# Altium PCB Unit-114.PcbDoc
Units mm, origin at the board's own origin, x right, y up, seen from the top; angles counter-clockwise.
Board outline 36.02 x 29.85 mm, 4 copper layers (Top1, GND2, Signal3, Bottom4), stack 0.975 mm thick; 34 components, 44 nets, 269 pads, 223 vias.
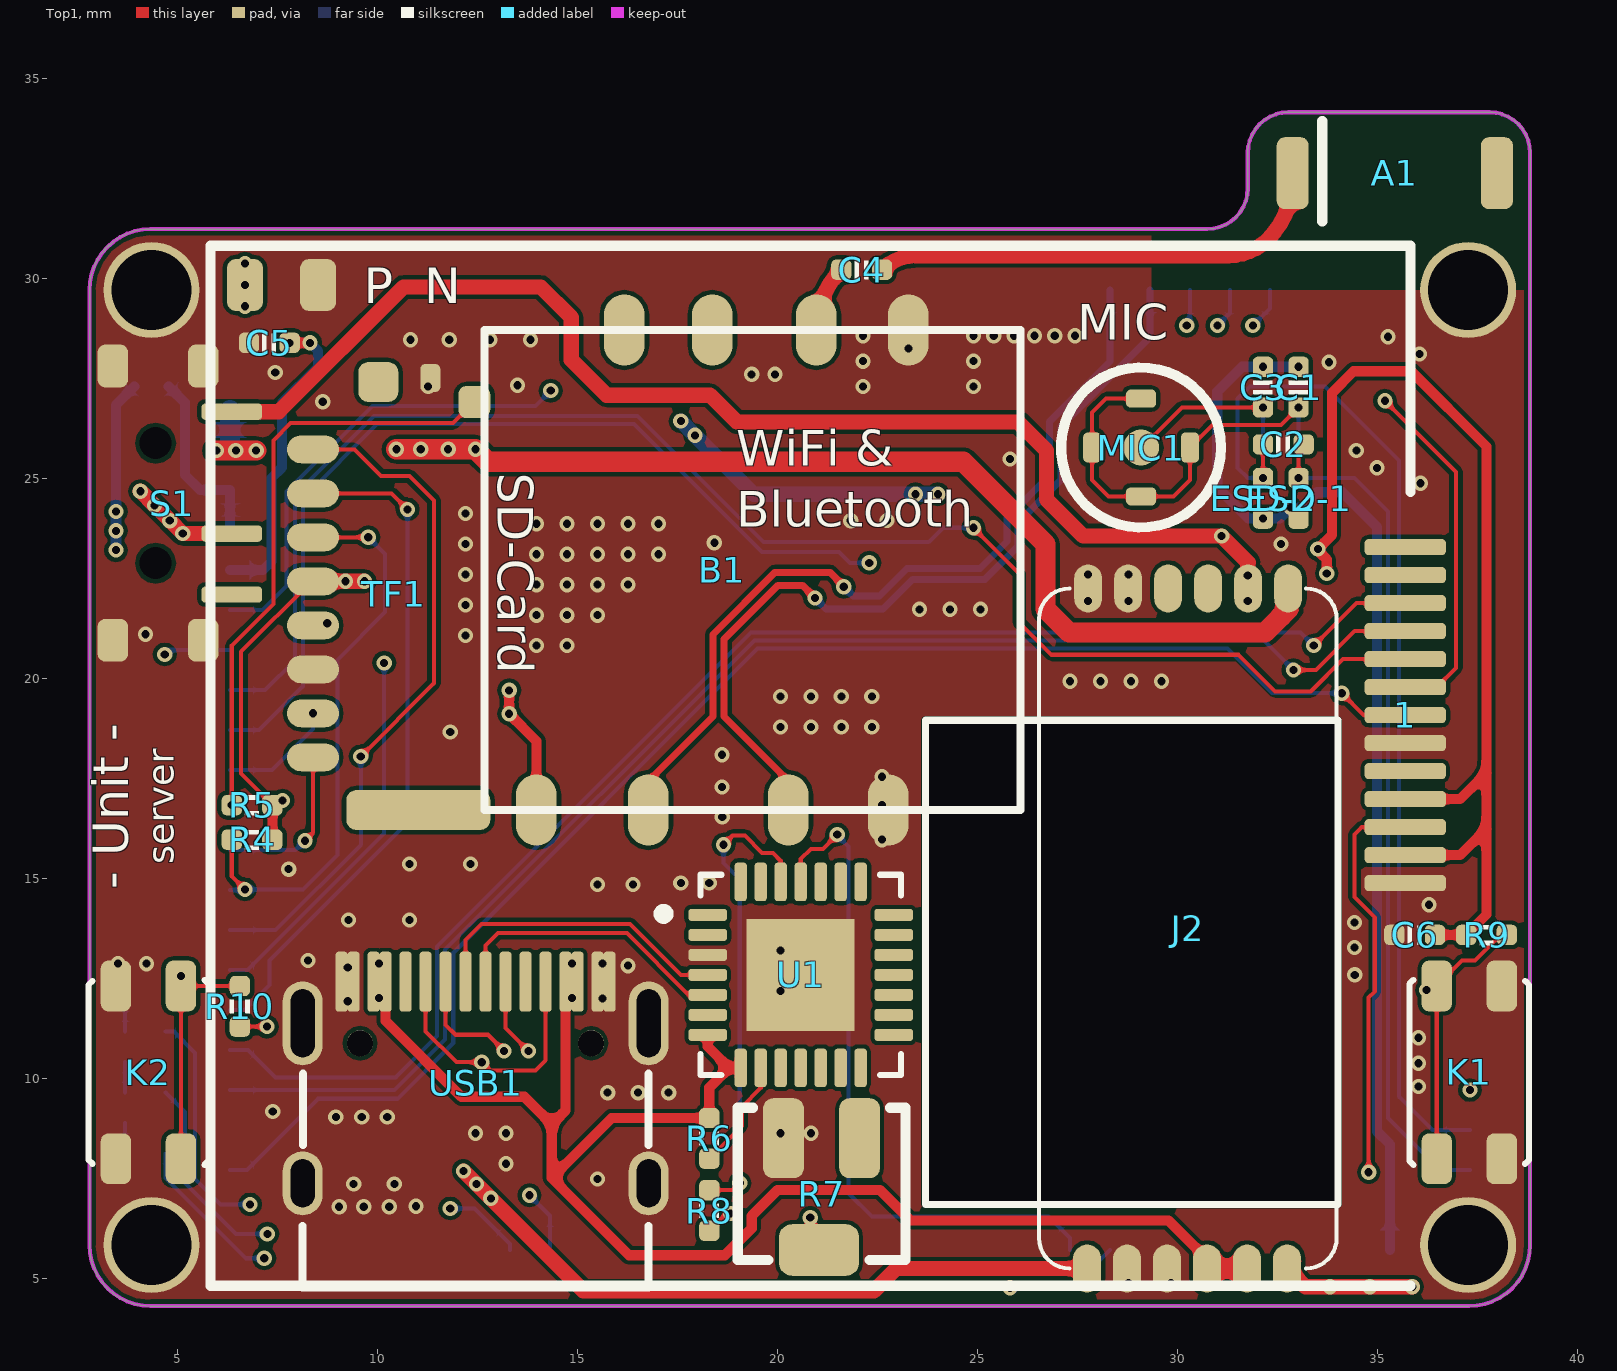
[diagram p0: Top1 view]
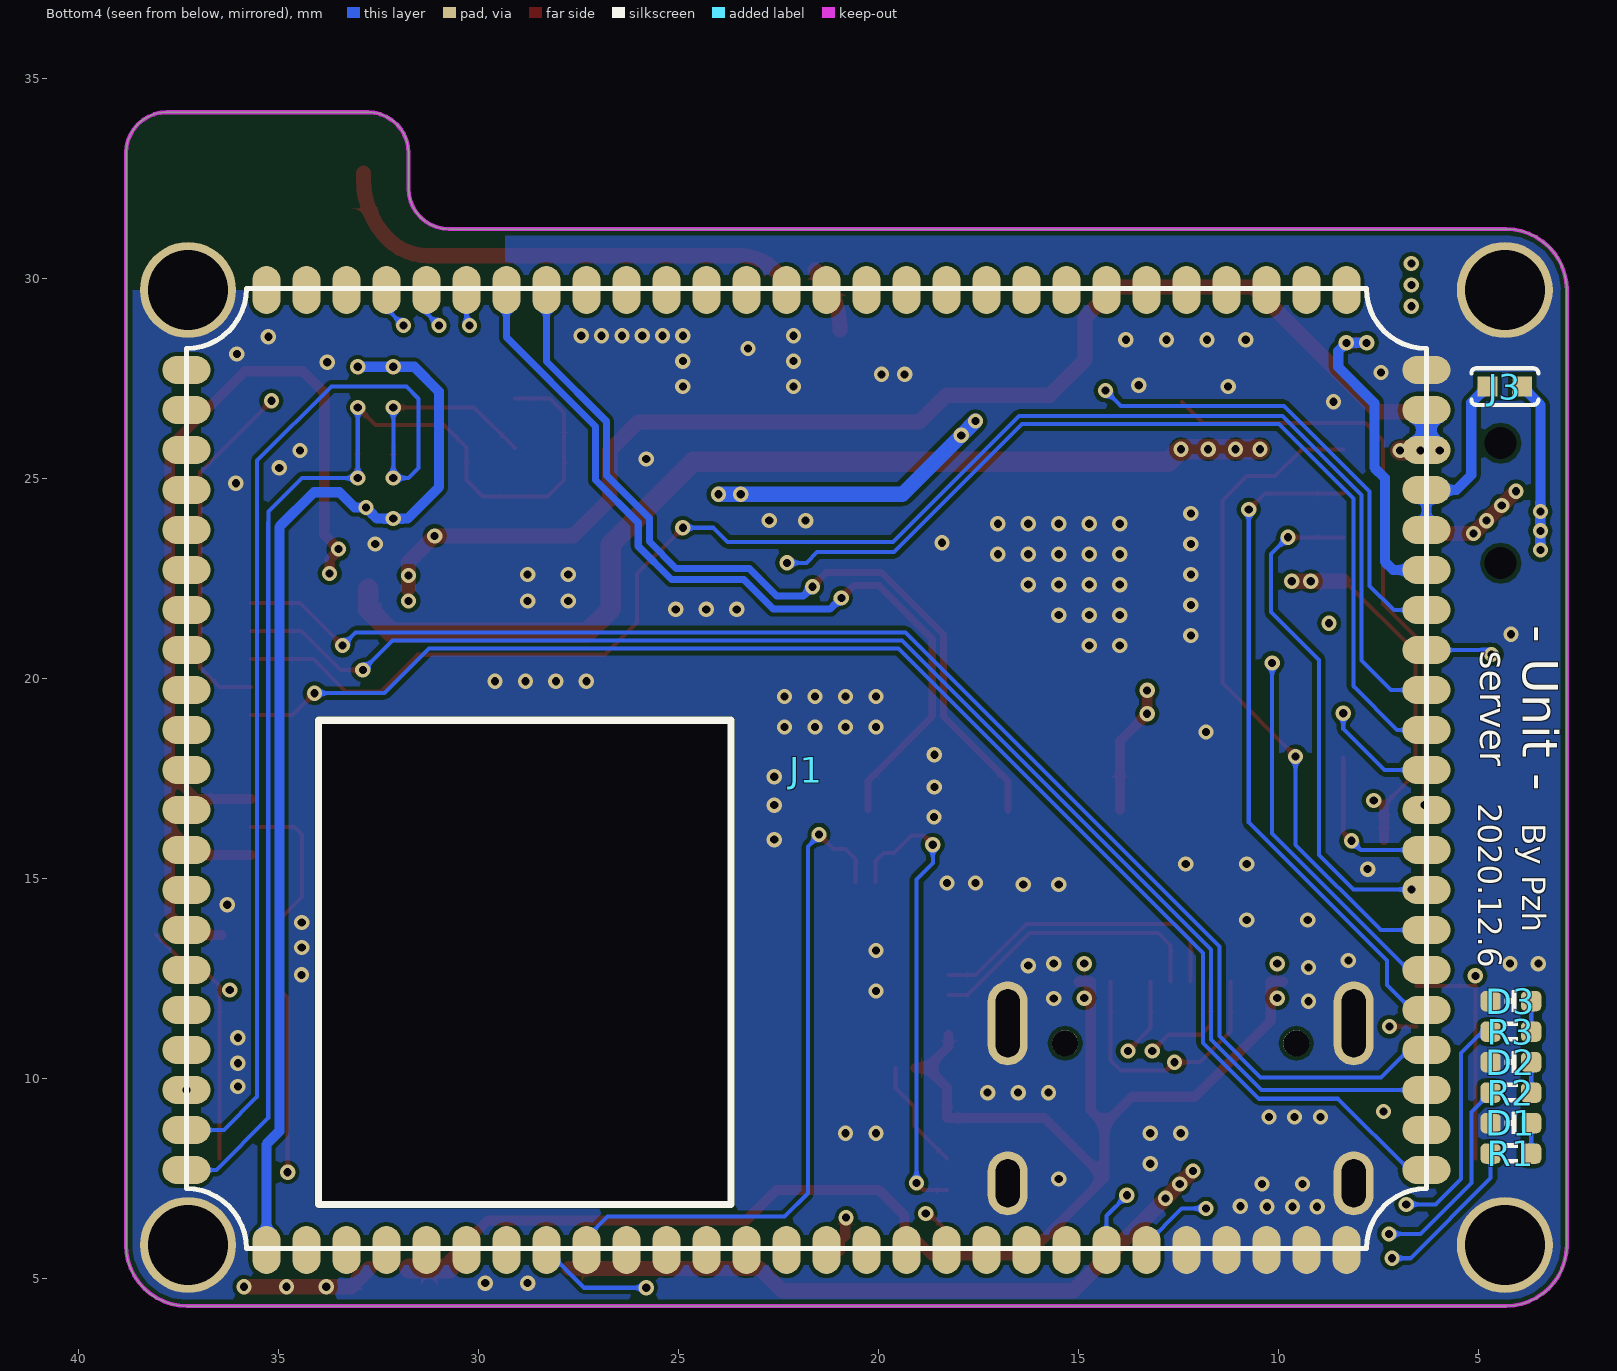
[diagram p1: Bottom4 view, seen from below]
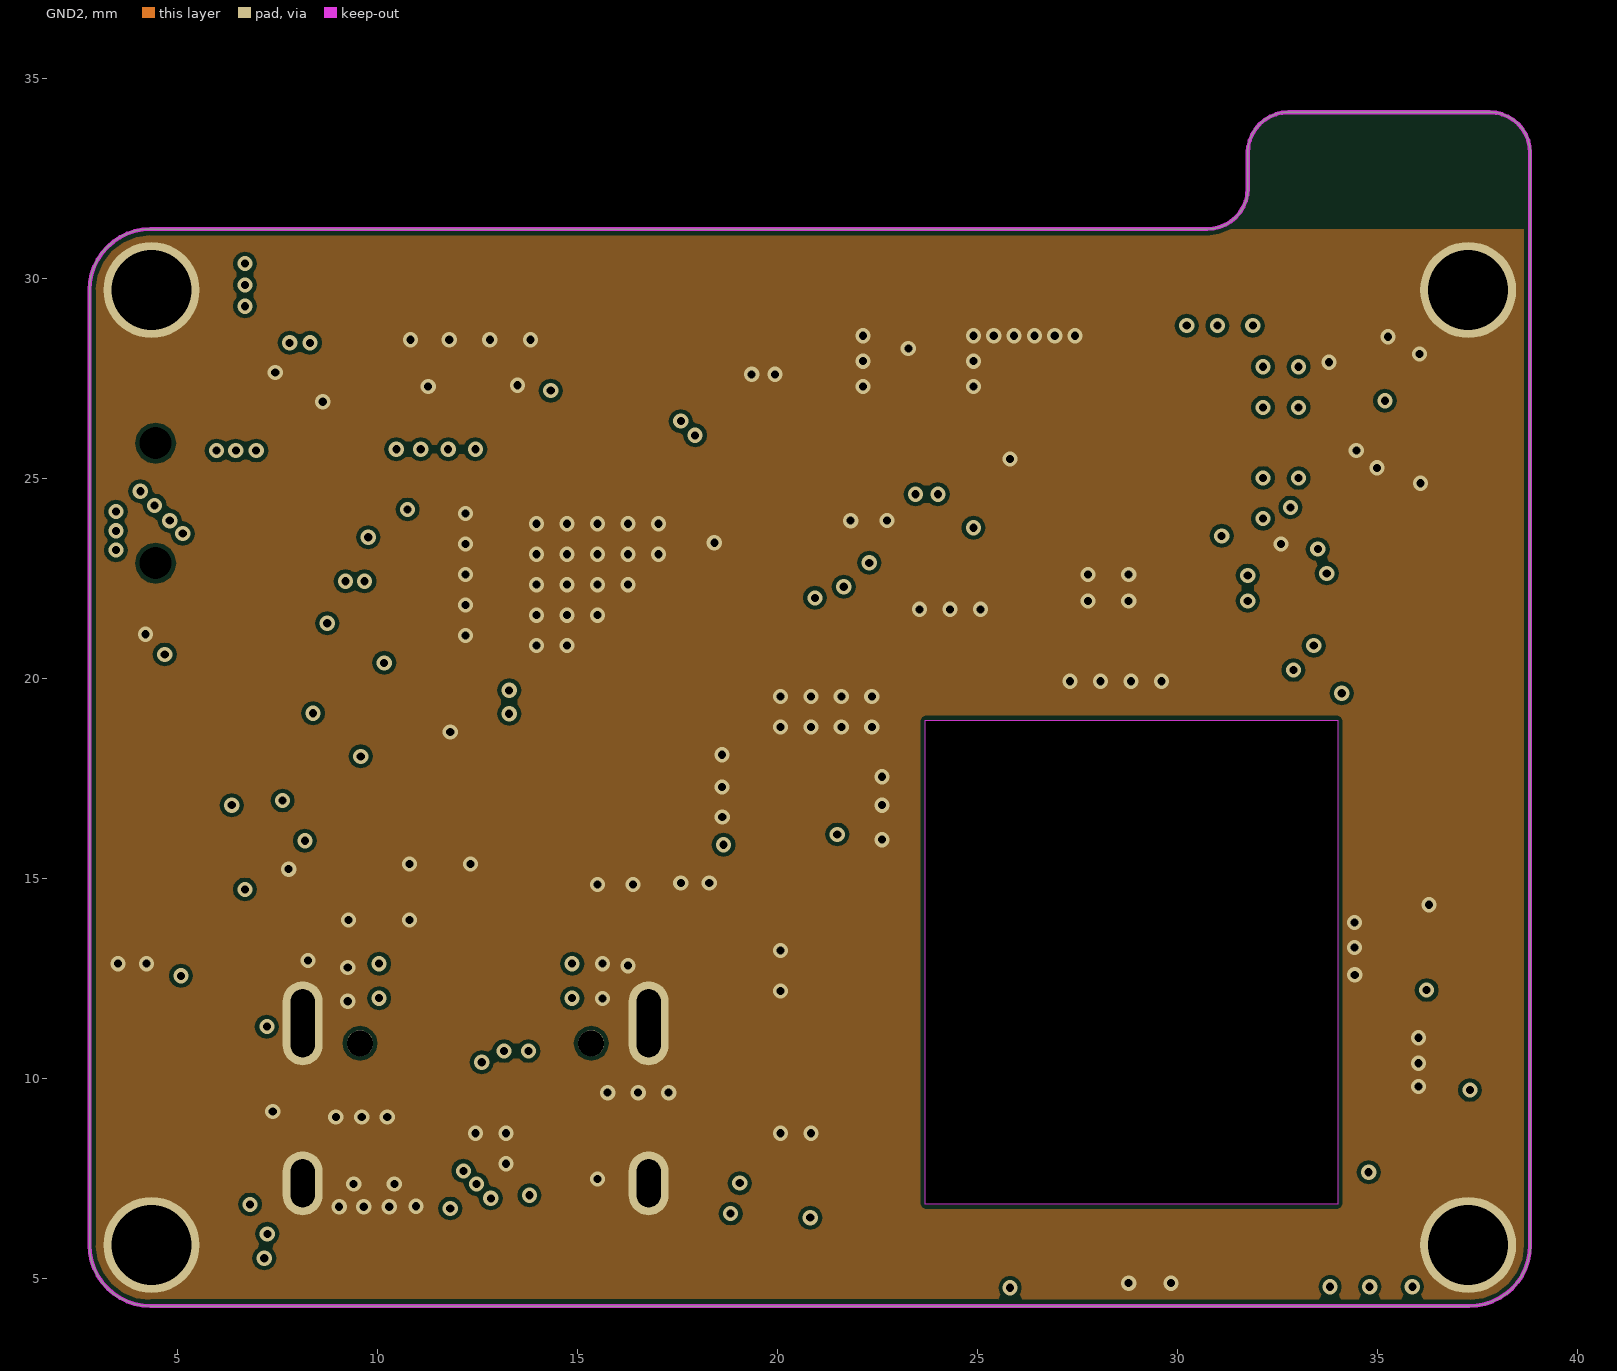
[diagram p2: GND2]
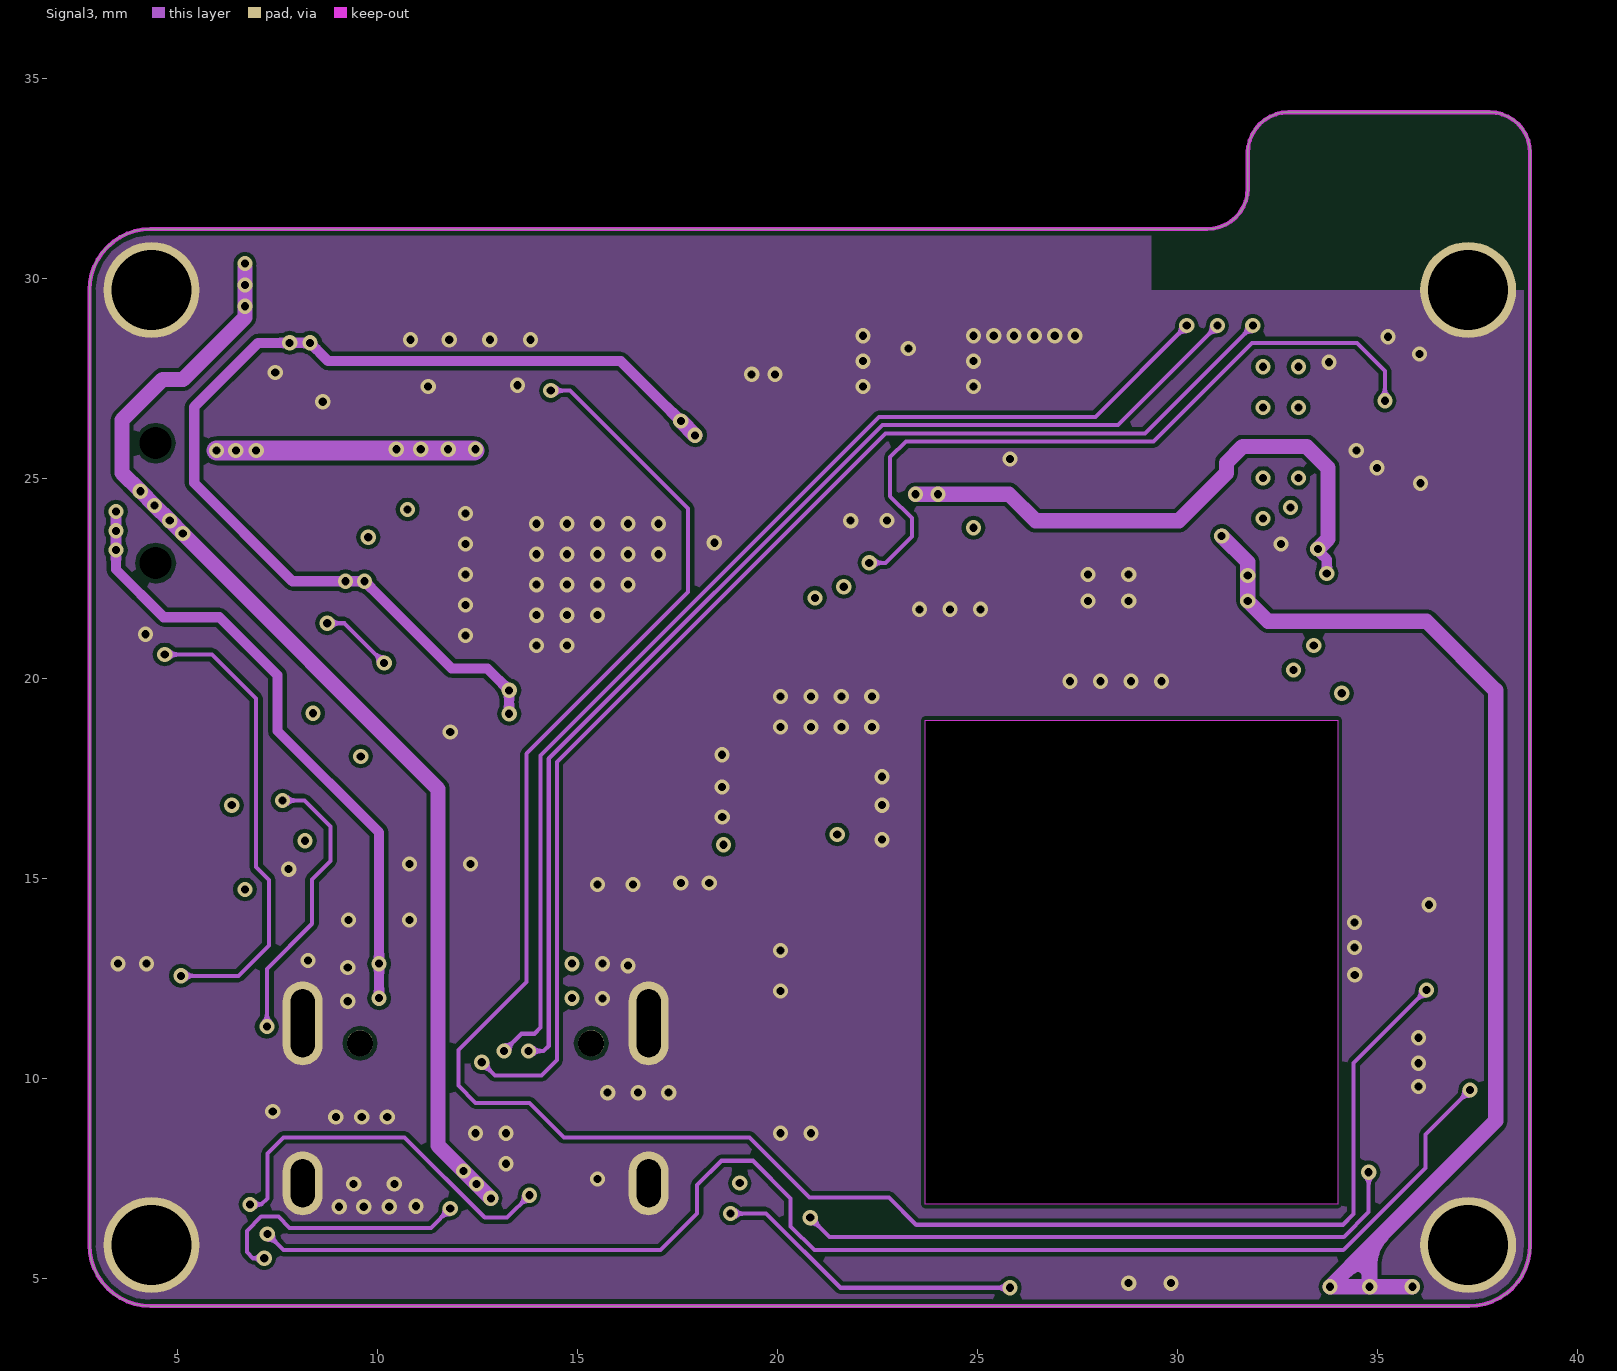
[diagram p3: Signal3]
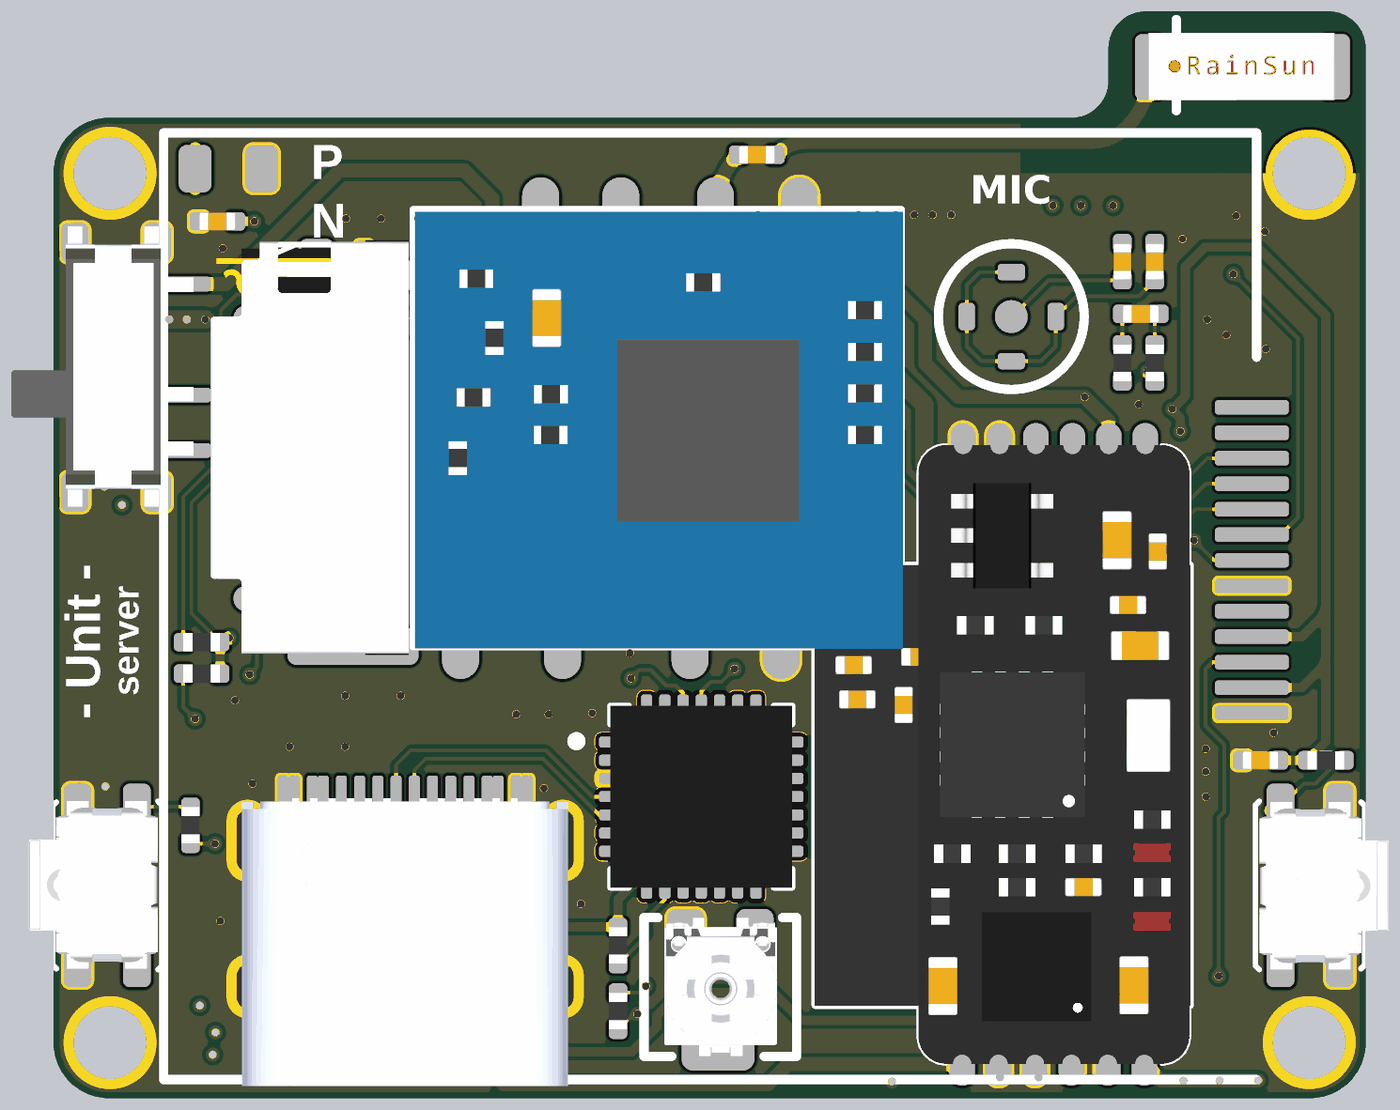
[diagram p4: 3D render of the assembled board from above, using the file's embedded part models]
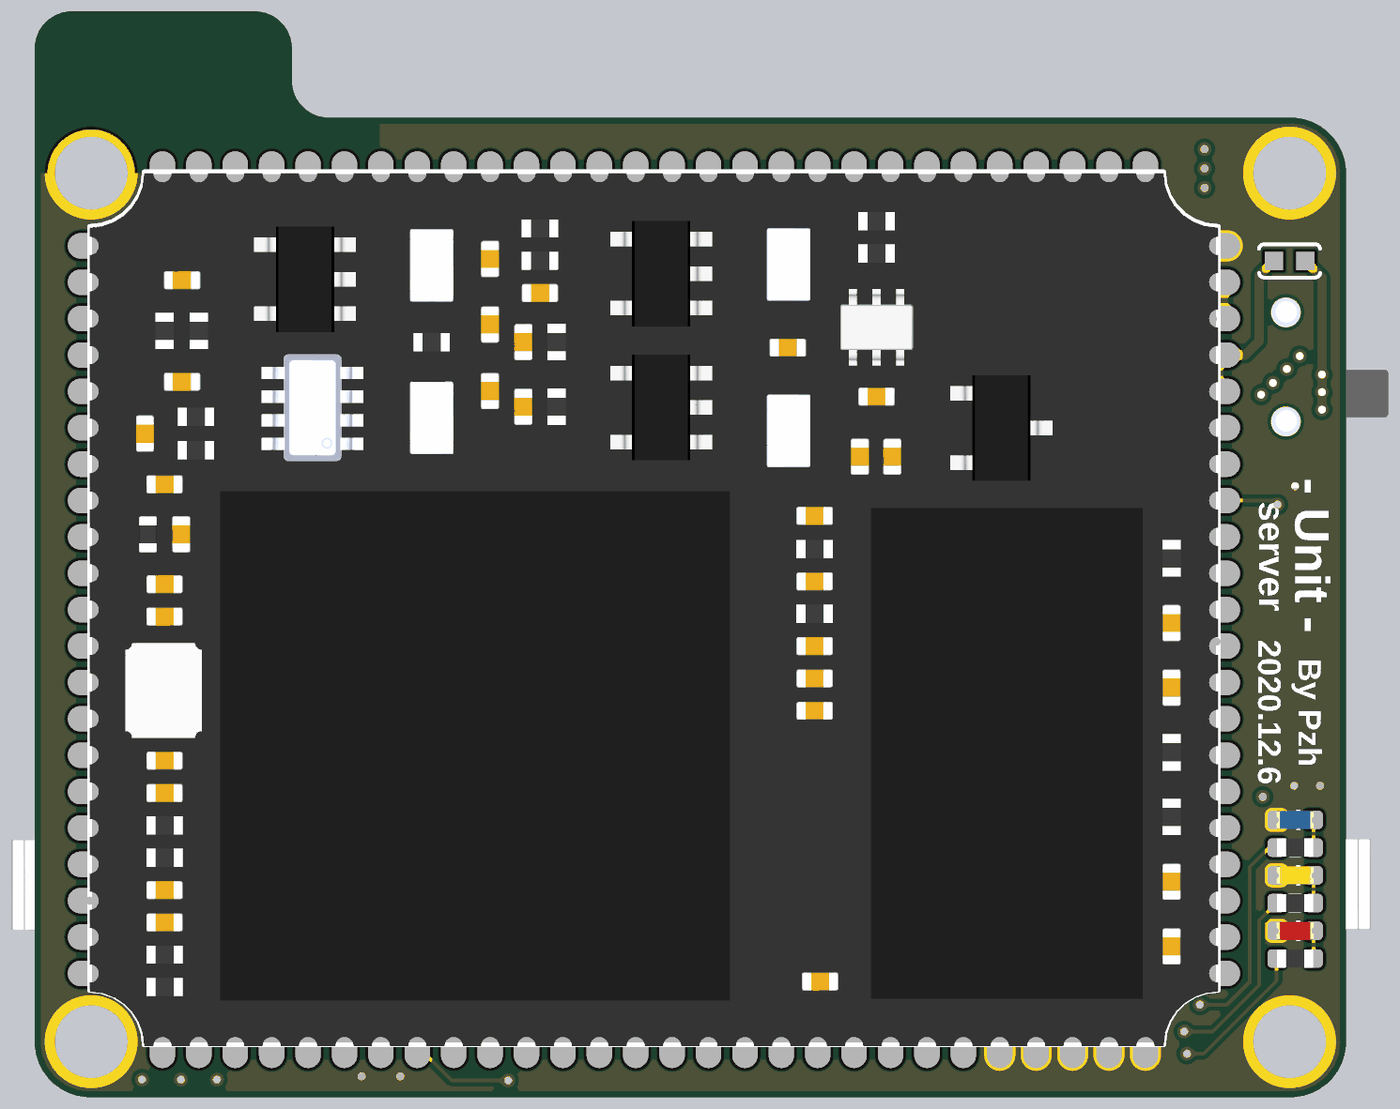
[diagram p5: 3D render of the assembled board from below, using the file's embedded part models]

## Layer stack, top to bottom
Top Solder: solder mask 0.0102, Solder Resist, Dk 3.5
Top1: signal copper 0.0356
Dielectric1: core 0.254, FR-4, Dk 4.2
Dielectric 1: prepreg 0.0711, PP-006, Dk 4.1
GND2: signal copper 0.035
Dielectric2: core 0.254, Dk 4.2
Signal3: signal copper 0.036
Dielectric 3: prepreg 0.254, Dk 4.2
Bottom4: signal copper 0.0356
Bottom Solder: solder mask 0.0102, Solder Resist, Dk 3.5

## Board outline
2.794,5.842 2.794,29.718 cw(c4.318,29.718) 4.318,31.242 30.734,31.242 ccw(c30.734,32.258) 31.75,32.258 31.75,33.147 cw(c32.766,33.147) 32.766,34.163 37.795,34.163 cw(c37.795,33.147) 38.811,33.147 38.811,5.842 cw(c37.287,5.842) 37.287,4.318 4.318,4.318 cw(c4.318,5.842)
